# KiCad board dilemma.kicad_pcb (continued)
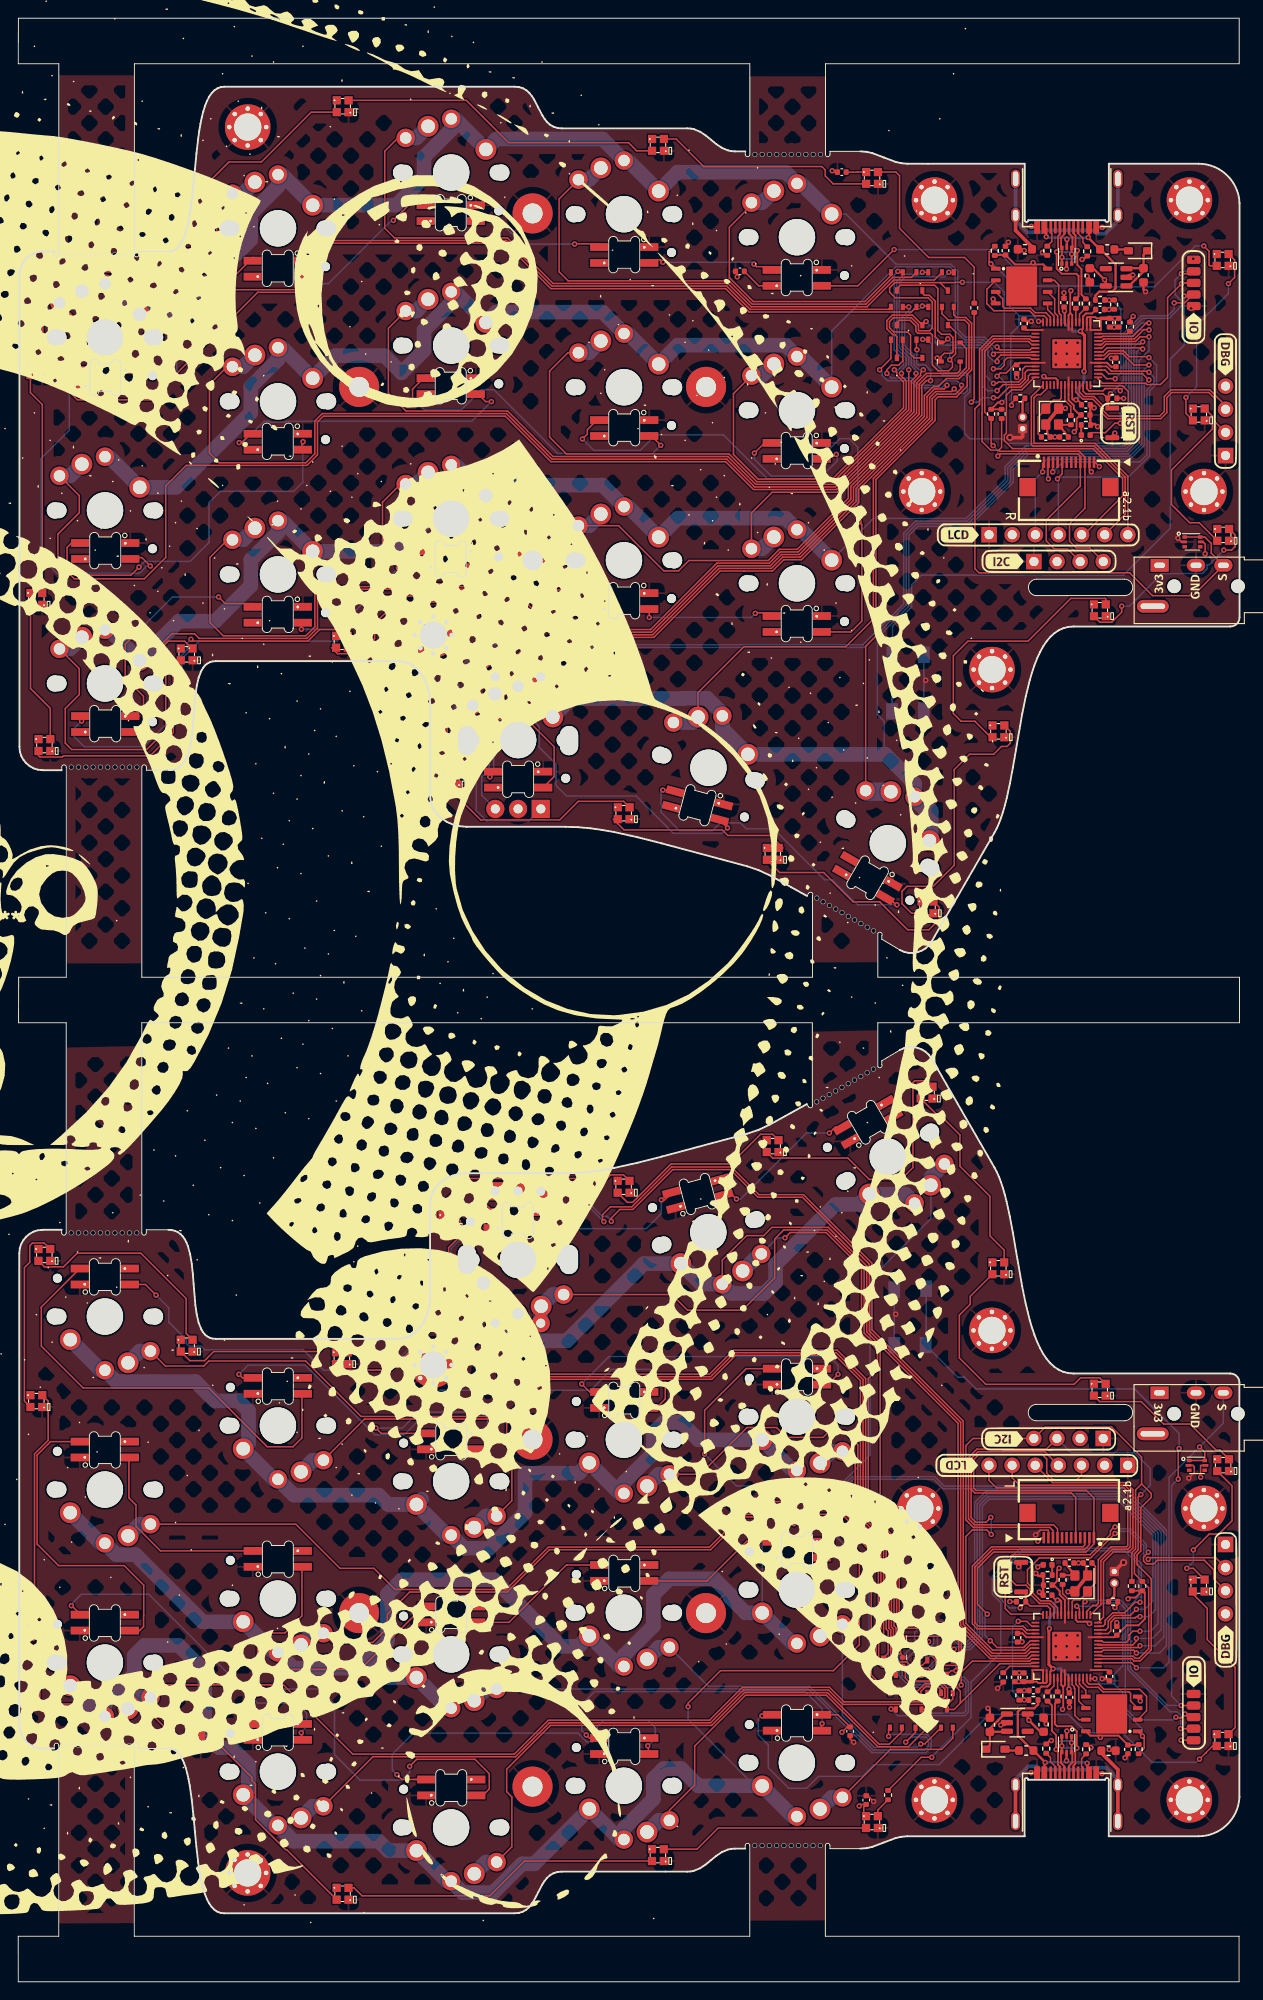
[diagram p0: board, top side]
## Footprints (pads in the part's own frame, mm; a bottom-side part is the same pattern mirrored in y, then rotated)
C_0402_1005Metric
  rrect 0.56x0.62 smd: 1(-0.48,0) 2(0.48,0)
C_0603_1608Metric
  rrect 0.9x0.95 smd: 1(-0.775,0) 2(0.775,0)
Crystal_SMD_2520-4Pin_2.5x2.0mm
  rrect 1.15x1 smd: 1(-0.875,-0.7) 2(0.875,-0.7) 3(0.875,0.7) 4(-0.875,0.7)
D_SOD-323
  rrect 1x0.8 smd: 1(-1.05,0) 2(1.05,0)
D_SOD-323#2
  rect 0.6x0.45 smd: 1(-1.05,0) 2(1.05,0)
FPC-SMD_FPC05012-09200-.5mm
  rect 0.28x1.25 smd: 1(-2.75,1.362) 2(-2.25,1.362) 3(-1.75,1.362) 4(-1.25,1.362) 5(-0.75,1.362) 6(-0.25,1.362) 7(0.25,1.362) 8(0.75,1.362) 9(1.25,1.362) 10(1.75,1.362) 11(2.25,1.362) 12(2.75,1.362)
  rect 1.8x2 smd: 13(4.55,-1.362) 14(-4.55,-1.362)
Fuse_0603_1608Metric
  rrect 0.875x0.95 smd: 1(-0.787,0) 2(0.787,0)
Jack_3.5mm_PJ320E_Horizontal
  oval 1.5x1.5 hole 1.5 unplated: (2.3,8.6) (2.3,1.6)
  oval 1.4x2 hole 0.6x1.2: R1(0,4) R2(0,7)
  oval 1.4x3.5 hole 0.6x2.7: S(4.5,-0.75)
  rect 1.4x2 hole 0.6x1.2: T(0,0)
L_0603_1608Metric
  rrect 0.875x0.95 smd: 1(-0.787,0) 2(0.787,0)
LED_0402_1005Metric
  rrect 0.59x0.64 smd: 1(-0.485,0) 2(0.485,0)
LED_SK6805-EC15_1.5x1.5mm_P0.6mm_handsolder(1)
  rect 0.9x0.9 smd: 1(-0.65,-0.65) 2(0.65,-0.65) 3(0.65,0.65) 4(-0.65,0.65)
  round 0.3 hole 0.2: 2(0.9,-0.65) 4(-0.85,0.7)
MountingHole_3mm_Pad_Via
  round 0.8 hole 0.5: 1(-2.025,0) 1(-1.432,1.432) 1(-1.432,-1.432) 1(0,2.025) 1(0,-2.025) 1(1.432,1.432) 1(1.432,-1.432) 1(2.025,0)
  round 5 hole 3: 1(0,0)
PinHeader_1x02_P1.27mm_Vertical
  rrect 1x1 hole 0.6: 1(0,0)
  round 1 hole 0.6: 2(0,-1.27)
PinHeader_1x04_P2.54mm_Vertical
  rect 1.7x1.7 hole 1: 1(0,0)
  oval 1.7x1.7 hole 1: 2(0,-2.54) 3(0,-5.08) 4(0,-7.62)
PinHeader_1x04_P2.54mm_Vertical_debug
  round 1.7 hole 1: 1(0,0)
  oval 1.7x1.7 hole 1: 2(0,-2.54) 3(0,-5.08)
  rect 1.7x1.7 hole 1: 4(0,-7.62)
PinHeader_1x05_P1.27mm_Vertical_SMD
  rrect 1.5x0.9 smd: 1(0,0) 2(0,-1.27) 3(0,-2.54) 4(0,-3.81) 5(0,-5.08)
PinHeader_1x07_P2.54mm_Vertical
  rect 1.7x1.7 hole 1: 1(0,0)
  oval 1.7x1.7 hole 1: 2(0,-2.54) 3(0,-5.08) 4(0,-7.62) 5(0,-10.16) 6(0,-12.7) 7(0,-15.24)
PushSwitch
  rect 1.8x1.3 smd: 1(-3.1,1.75) 1(3.1,1.8) 2(-3.1,-1.7) 2(3,-1.7)
QFN-56-1EP_7x7mm_P0.4mm_EP3.2x3.2mm
  rrect 1.084x1.084 smd: (-0.637,0.637) (-0.637,-0.637) (0.637,0.637) (0.637,-0.637)
  rrect 0.875x0.2 smd: 1(-3.438,2.6) 2(-3.438,2.2) 3(-3.438,1.8) 4(-3.438,1.4) 5(-3.438,1) 6(-3.438,0.6) 7(-3.438,0.2) 8(-3.438,-0.2) 9(-3.438,-0.6) 10(-3.438,-1) 11(-3.438,-1.4) 12(-3.438,-1.8) 13(-3.438,-2.2) 14(-3.438,-2.6) 29(3.438,-2.6) 30(3.438,-2.2) 31(3.438,-1.8) 32(3.438,-1.4) 33(3.438,-1) 34(3.438,-0.6) 35(3.438,-0.2) 36(3.438,0.2) 37(3.438,0.6) 38(3.438,1) 39(3.438,1.4) 40(3.438,1.8) 41(3.438,2.2) 42(3.438,2.6)
  rrect 0.2x0.875 smd: 15(-2.6,-3.438) 16(-2.2,-3.438) 17(-1.8,-3.438) 18(-1.4,-3.438) 19(-1,-3.438) 20(-0.6,-3.438) 21(-0.2,-3.438) 22(0.2,-3.438) 23(0.6,-3.438) 24(1,-3.438) 25(1.4,-3.438) 26(1.8,-3.438) 27(2.2,-3.438) 28(2.6,-3.438) 43(2.6,3.438) 44(2.2,3.438) 45(1.8,3.438) 46(1.4,3.438) 47(1,3.438) 48(0.6,3.438) 49(0.2,3.438) 50(-0.2,3.438) 51(-0.6,3.438) 52(-1,3.438) 53(-1.4,3.438) 54(-1.8,3.438) 55(-2.2,3.438) 56(-2.6,3.438)
  rrect 3.2x3.2 smd: 57(0,0)
R_0402_1005Metric
  rrect 0.54x0.64 smd: 1(-0.51,0) 2(0.51,0)
R_0402_1005Metric_nolabel
  rrect 0.54x0.64 smd: 1(-0.51,0) 2(0.51,0)
RotaryEncoder_Alps_EC11E-Switch_Vertical_H20mm_roundholes
  oval 3.2x2 hole 3.2x2 unplated: (7.5,-8.1) (7.5,3.1)
  rect 2x2 hole 1: A(0,0)
  round 2 hole 1: B(0,-5) C(0,-2.5) S1(14.5,-5) S2(14.5,0)
SK6812_mini_e_corners
  rect 2x0.85 smd: 1(2.75,-0.975) 2(-2.75,-0.975) 3(-2.75,0.775) 4(2.75,0.775)
  round 0.6 hole 0.3: 2(-2.2,-0.95) 4(2.2,0.775)
SOT-23-5
  rrect 1.325x0.6 smd: 1(-1.137,0.95) 2(-1.137,0) 3(-1.137,-0.95) 4(1.137,-0.95) 5(1.137,0.95)
SOT-323_SC-70
  rect 0.7x0.45 smd: 1(-1,0.65) 2(-1,-0.65) 3(1,0)
SOT-666
  rect 0.5x0.375 smd: 1(-0.85,0.537) 3(-0.85,-0.537) 4(0.85,-0.537) 6(0.85,0.537)
  rect 0.65x0.3 smd: 2(-0.925,0) 5(0.925,0)
SW_MX_choc
  round 1.782 hole 1.782 unplated: (-5.5,0) (5.5,0)
  round 0.991 hole 0.991 unplated: (-5.22,-4.2)
  round 1.702 hole 1.702 unplated: (-5.08,0) (5.08,0)
  round 3.988 hole 3.988 unplated: (0,0)
  round 2.286 hole 1.499: 1(-3.81,2.54) 2(2.54,5.08)
  round 2.032 hole 1.27: 1(0,5.9) 2(5,3.8)
SW_SPST_CK_KXT3
  rrect 0.55x1.5 smd: 1(-1.625,0) 2(1.625,0)
Tenting_Puck
  round 4.4 hole 2.2: 1(-19.05,0) 1(0,19.05) 1(0,-19.05) 1(19.05,0)
USB_C_Receptacle_HRO_TYPE-C-31-M-13B
  rect 0.6x1.4 smd: A1(-3.25,7.4) A4(-2.45,7.4) A9(2.45,7.4) A12(3.25,7.4) B1(3.25,7.4) B4(2.45,7.4) B9(-2.45,7.4) B12(-3.25,7.4)
  rect 0.3x1.4 smd: A5(-1.25,7.4) A6(-0.25,7.4) A7(0.25,7.4) A8(1.25,7.4) B5(1.75,7.4) B6(0.75,7.4) B7(-0.75,7.4) B8(-1.75,7.4)
  oval 1x1.6 hole 0.6x1.2: S1(-5.62,6.1) S1(5.62,6.1)
  oval 1x2 hole 0.6x1.6: S1(-5.62,2.1) S1(5.62,2.1)
W25Q128JVPIQ
  rrect 1.04x0.44 smd: 1(-2.845,1.905) 2(-2.845,0.635) 3(-2.845,-0.635) 4(-2.845,-1.905) 5(2.845,-1.905) 6(2.845,-0.635) 7(2.845,0.635) 8(2.845,1.905)
  rect 3.4x4.3 smd: 9(0,0)

## Nets
+1V1: C6.1 C7.1 C8.1 U1.23 U1.45 U1.50
+1V1_L: C5004.1 C5006.1 C5007.1 U5002.23 U5002.45 U5002.50
+3V3: C2.1 C5.1 C9.1 C10.1 C11.1 C12.1 C13.1 C14.1 C5015.1 C5017.1 D3.2 D4.2 D5.2 D7.2 D8.2 D9.2 D11.2 D12.2 D15.2 D16.2 D18.2 D19.2 D21.2 D22.2 D24.2 D25.2 D27.2 D28.2 D5031.4 D5032.4 D5033.4 D5034.4 D5035.4 D5036.4 D5037.4 D5038.4 D5039.4 D5040.4 D5041.4 D5042.4 D5043.4 D5044.4 D5045.4 D5046.4 D5047.4 D5048.4 J3.2 J4.1 J102.T J105.1 J113.12 J5010.1 O101.2 R2.2 R9.2 R101.2 R103.2 R104.1 U1.1 U1.10 U1.22 U1.33 U1.42 U1.43 U1.44 U1.48 U1.49 U2.8 U3.5 U5005.5
+3V3_L: C5002.1 C5003.1 C5009.1 C5010.1 C5011.1 C5012.1 C5013.1 C5014.1 C5016.1 C5018.1 D5013.2 D5014.2 D5015.2 D5016.2 D5017.2 D5018.2 D5019.2 D5020.2 D5021.2 D5022.2 D5023.2 D5024.2 D5025.2 D5026.2 D5027.2 D5028.2 D5029.2 D5030.2 D5049.4 D5050.4 D5051.4 D5052.4 D5053.4 D5054.4 D5055.4 D5056.4 D5057.4 D5058.4 D5059.4 D5060.4 D5061.4 D5062.4 D5063.4 D5064.4 D5065.4 D5066.4 J5003.T J5004.2 J5005.1 J5007.12 J5008.1 J5009.1 O5001.2 R5002.2 R5011.2 R5013.2 R5014.1 U5001.5 U5002.1 U5002.10 U5002.22 U5002.33 U5002.42 U5002.43 U5002.44 U5002.48 U5002.49 U5004.8 U5006.5
+5V: C1.1 D2.1 U3.1 U3.3
+5V_L: C5001.1 D5004.1 U5001.1 U5001.3
/VBUS_DET: R10.1 R11.2 U1.30
/VBUS_DET_L: R5009.1 R5010.2 U5002.30
GND: C1.2 C2.2 C3.2 C4.2 C5.2 C6.2 C7.2 C8.2 C9.2 C10.2 C11.2 C12.2 C13.2 C14.2 C5015.2 C5017.2 D3.4 D4.4 D5.4 D7.4 D8.4 D9.4 D11.4 D12.4 D15.4 D16.4 D18.4 D19.4 D21.4 D22.4 D24.4 D25.4 D27.4 D28.4 D5031.2 D5032.2 D5033.2 D5034.2 D5035.2 D5036.2 D5037.2 D5038.2 D5039.2 D5040.2 D5041.2 D5042.2 D5043.2 D5044.2 D5045.2 D5046.2 D5047.2 D5048.2 FB1.1 H101.1 H102.1 H104.1 H105.1 H106.1 H107.1 H108.1 H111.1 J1.A1 J1.A12 J1.B1 J1.B12 J3.1 J4.5 J5.1 J102.R1 J105.4 J113.11 J5010.5 O101.1 R1.1 R4.2 R5.2 R11.1 SW1.1 SW3002.C SW5022.2 U1.19 U1.57 U2.4 U3.2 U4.2 U5005.2 Y1.2 Y1.4
GND_L: C5001.2 C5002.2 C5003.2 C5004.2 C5005.2 C5006.2 C5007.2 C5008.2 C5009.2 C5010.2 C5011.2 C5012.2 C5013.2 C5014.2 C5016.2 C5018.2 D5013.4 D5014.4 D5015.4 D5016.4 D5017.4 D5018.4 D5019.4 D5020.4 D5021.4 D5022.4 D5023.4 D5024.4 D5025.4 D5026.4 D5027.4 D5028.4 D5029.4 D5030.4 D5049.2 D5050.2 D5051.2 D5052.2 D5053.2 D5054.2 D5055.2 D5056.2 D5057.2 D5058.2 D5059.2 D5060.2 D5061.2 D5062.2 D5063.2 D5064.2 D5065.2 D5066.2 FB5001.1 H5001.1 H5002.1 H5003.1 H5004.1 H5005.1 H5006.1 H5007.1 H5008.1 J5001.A1 J5001.A12 J5001.B1 J5001.B12 J5002.1 J5003.R1 J5004.1 J5005.4 J5007.11 J5008.5 J5009.5 O5001.1 R5001.1 R5004.2 R5005.2 R5010.1 R5012.2 SW5001.1 SW5020.C SW5021.2 U5001.2 U5002.19 U5002.57 U5003.2 U5004.4 U5006.2 Y5001.2 Y5001.4
VBUS: F1.1 J1.A4 J1.A9 J1.B4 J1.B9 R10.2 U4.5
VBUS_L: F5001.1 J5001.A4 J5001.A9 J5001.B4 J5001.B9 R5009.2 U5003.5
/D+: J1.A6 J1.B6 R6.1 U4.3 U4.4
/D+_L: J5001.A6 J5001.B6 R5006.1 U5003.3 U5003.4
/D-: J1.A7 J1.B7 R7.1 U4.1 U4.6
/D-_L: J5001.A7 J5001.B7 R5007.1 U5003.1 U5003.6
/LED: D1.2 U1.28
/LED_L: D5001.2 U5002.28
/MISO: J113.2 U1.31
/MISO_L: J5007.2 U5002.31
/MOSI: J3.4 J113.5 U1.35
/MOSI_L: J5004.4 J5007.5 U5002.35
/QSPI_D0: U1.53 U2.5
/QSPI_D0_L: U5002.53 U5004.5
/QSPI_D1: U1.55 U2.2
/QSPI_D1_L: U5002.55 U5004.2
/QSPI_D2: U1.54 U2.3
/QSPI_D2_L: U5002.54 U5004.3
/QSPI_D3: U1.51 U2.7
/QSPI_D3_L: U5002.51 U5004.7
/QSPI_SCLK: U1.52 U2.6
/QSPI_SCLK_L: U5002.52 U5004.6
/QSPI_~{CS}: R3.2 R9.1 U1.56 U2.1
/QSPI_~{CS}_L: R5003.2 R5011.1 U5002.56 U5004.1
/SCLK: J3.3 J113.1 U1.34
/SCLK_L: J5004.3 J5007.1 U5002.34
/SWCLK: J105.3 U1.24
/SWCLK_L: J5005.3 U5002.24
/SWD: J105.2 U1.25
/SWD_L: J5005.2 U5002.25
/~{RESET_L}: J5008.4 J5009.4 R5002.1 SW5001.2 SW5021.1 U5002.26
/~{RESET}: J4.4 J5010.4 R2.1 SW1.2 SW5022.1 U1.26
ENC_PIN1: SW3002.B U1.36
ENC_PIN1_L: SW5020.B U5002.36
ENC_PIN2: SW3002.A U1.37
ENC_PIN2_L: SW5020.A U5002.37
encoder_diode: D37.1 SW3001.2 SW3002.S1
encoder_diode_L: D5008.1 SW5013.2 SW5020.S1
HAND: R101.1 U1.41
HAND_L: R5012.1 U5002.41
IO14_L: J5008.2 J5009.2 U5002.17
IO15_L: J5008.3 J5009.3 U5002.18
IO16: J4.2 J5010.2 U1.27
IO18: J4.3 J5010.3 U1.29
M_COL1: D30.3 D35.3 U1.11
M_COL1_L: D5002.3 D5003.3 U5002.11
M_COL2: D31.3 D36.3 U1.12
M_COL2_L: D5005.3 D5006.3 U5002.12
M_COL3: D32.3 D37.3 U1.9
M_COL3_L: D5007.3 D5008.3 U5002.9
M_COL4: D33.3 D112.1 U1.8
M_COL4_L: D5009.1 D5010.3 U5002.8
M_COL5: D34.3 D115.1 U1.40
M_COL5_L: D5011.1 D5012.3 U5002.40
M_ROW1: SW118.1 SW119.1 SW3001.1 SW3002.S2 U1.38
M_ROW1_L: SW5005.1 SW5009.1 SW5013.1 SW5020.S2 U5002.38
M_ROW2: SW101.1 SW104.1 SW107.1 SW112.1 SW115.1 U1.6
M_ROW2_L: SW5002.1 SW5006.1 SW5010.1 SW5014.1 SW5017.1 U5002.6
M_ROW3: SW102.1 SW105.1 SW108.1 SW113.1 SW116.1 U1.7
M_ROW3_L: SW5003.1 SW5007.1 SW5011.1 SW5015.1 SW5018.1 U5002.7
M_ROW4: SW103.1 SW106.1 SW109.1 SW114.1 SW117.1 U1.39
M_ROW4_L: SW5004.1 SW5008.1 SW5012.1 SW5016.1 SW5019.1 U5002.39
NCS: J113.3 U1.32
NCS_L: J5007.3 U5002.32
QP_CS: J3.6 U1.15
QP_CS_L: J5004.6 U5002.15
QP_DC: J3.5 U1.14
QP_DC_L: J5004.5 U5002.14
QP_RST: J3.7 U1.16
QP_RST_L: J5004.7 U5002.16
RGB: D5.3 D5031.3
RGB_L: D5015.3 D5049.3
SCL: J113.9 O101.3 R104.2 U1.5
SCL_L: J5007.9 O5001.3 R5014.2 U5002.5
SDA: J113.10 O101.4 R103.1 U1.4
SDA_L: J5007.10 O5001.4 R5013.1 U5002.4
SERIAL: J102.R2 U1.3 U5005.1 U5005.6
SERIAL_L: J5003.R2 U5002.3 U5006.1 U5006.6
UNDER_RGB: R5016.1 U1.13
UNDER_RGB_L: R5015.1 U5002.13
Net-(C4-Pad1): C4.1 R8.1 Y1.3
Net-(C5008-Pad1): C5008.1 R5008.1 Y5001.3
Net-(D1-K): D1.1 R1.2
Net-(D2-A): D2.2 F1.2
Net-(D3-DIN): D3.1 R5016.2
Net-(D3-DOUT): D3.3 D7.1
Net-(D4-DOUT): D4.3 D8.1
Net-(D11-DIN): D7.3 D11.1
Net-(D11-DOUT): D11.3 D15.1
Net-(D12-DIN): D8.3 D12.1
Net-(D12-DOUT): D9.1 D12.3
Net-(D15-DOUT): D15.3 D18.1
Net-(D16-DIN): D9.3 D16.1
Net-(D16-DOUT): D16.3 D19.1
Net-(D18-DOUT): D18.3 D21.1
Net-(D19-DOUT): D19.3 D22.1
Net-(D21-DOUT): D21.3 D24.1
Net-(D22-DOUT): D22.3 D25.1
Net-(D24-DOUT): D24.3 D27.1
Net-(D25-DOUT): D25.3 D28.1
Net-(D27-DOUT): D4.1 D27.3
Net-(D28-DOUT): D5.1 D28.3
Net-(D30-A-Pad1): D30.1 SW102.2
Net-(D30-A-Pad2): D30.2 SW101.2
Net-(D31-A-Pad1): D31.1 SW105.2
Net-(D31-A-Pad2): D31.2 SW104.2
Net-(D32-A-Pad1): D32.1 SW108.2
Net-(D32-A-Pad2): D32.2 SW107.2
Net-(D33-A-Pad1): D33.1 SW113.2
Net-(D33-A-Pad2): D33.2 SW112.2
Net-(D34-A-Pad1): D34.1 SW116.2
Net-(D34-A-Pad2): D34.2 SW115.2
Net-(D35-A-Pad1): D35.1 SW118.2
Net-(D35-A-Pad2): D35.2 SW103.2
Net-(D36-A-Pad1): D36.1 SW119.2
Net-(D36-A-Pad2): D36.2 SW106.2
Net-(D37-A-Pad2): D37.2 SW109.2
Net-(D112-A): D112.2 SW114.2
Net-(D115-A): D115.2 SW117.2
Net-(D5001-K): D5001.1 R5001.2
Net-(D5002-A-Pad1): D5002.1 SW5003.2
Net-(D5002-A-Pad2): D5002.2 SW5002.2
Net-(D5003-A-Pad1): D5003.1 SW5005.2
Net-(D5003-A-Pad2): D5003.2 SW5004.2
Net-(D5004-A): D5004.2 F5001.2
Net-(D5005-A-Pad1): D5005.1 SW5007.2
Net-(D5005-A-Pad2): D5005.2 SW5006.2
Net-(D5006-A-Pad1): D5006.1 SW5009.2
Net-(D5006-A-Pad2): D5006.2 SW5008.2
Net-(D5007-A-Pad1): D5007.1 SW5011.2
Net-(D5007-A-Pad2): D5007.2 SW5010.2
Net-(D5008-A-Pad2): D5008.2 SW5012.2
Net-(D5009-A): D5009.2 SW5016.2
Net-(D5010-A-Pad1): D5010.1 SW5015.2
Net-(D5010-A-Pad2): D5010.2 SW5014.2
Net-(D5011-A): D5011.2 SW5019.2
Net-(D5012-A-Pad1): D5012.1 SW5018.2
Net-(D5012-A-Pad2): D5012.2 SW5017.2
Net-(D5013-DIN): D5013.1 R5015.2
Net-(D5013-DOUT): D5013.3 D5016.1
Net-(D5014-DIN): D5014.1 D5028.3
Net-(D5014-DOUT): D5014.3 D5017.1
Net-(D5015-DIN): D5015.1 D5030.3
Net-(D5016-DOUT): D5016.3 D5018.1
Net-(D5017-DOUT): D5017.3 D5019.1
Net-(D5018-DOUT): D5018.3 D5020.1
Net-(D5019-DOUT): D5019.3 D5021.1
Net-(D5020-DOUT): D5020.3 D5022.1
Net-(D5021-DOUT): D5021.3 D5023.1
Net-(D5022-DOUT): D5022.3 D5024.1
Net-(D5023-DOUT): D5023.3 D5025.1
Net-(D5024-DOUT): D5024.3 D5026.1
Net-(D5025-DOUT): D5025.3 D5027.1
Net-(D5026-DOUT): D5026.3 D5028.1
Net-(D5027-DOUT): D5027.3 D5029.1
Net-(D5029-DOUT): D5029.3 D5030.1
Net-(D5031-DOUT): D5031.1 D5034.3
Net-(D5032-DIN): D5032.3 D5046.1
Net-(D5032-DOUT): D5032.1 D5035.3
Net-(D5033-DIN): D5033.3 D5048.1
Net-(D5034-DOUT): D5034.1 D5036.3
Net-(D5035-DOUT): D5035.1 D5037.3
Net-(D5036-DOUT): D5036.1 D5038.3
Net-(D5037-DOUT): D5037.1 D5039.3
Net-(D5038-DOUT): D5038.1 D5040.3
Net-(D5039-DOUT): D5039.1 D5041.3
Net-(D5040-DOUT): D5040.1 D5042.3
Net-(D5041-DOUT): D5041.1 D5043.3
Net-(D5042-DOUT): D5042.1 D5044.3
Net-(D5043-DOUT): D5043.1 D5045.3
Net-(D5044-DOUT): D5044.1 D5046.3
Net-(D5045-DOUT): D5045.1 D5047.3
Net-(D5047-DOUT): D5047.1 D5048.3
Net-(D5049-DOUT): D5049.1 D5052.3
Net-(D5050-DIN): D5050.3 D5064.1
Net-(D5050-DOUT): D5050.1 D5053.3
Net-(D5051-DIN): D5051.3 D5066.1
Net-(D5052-DOUT): D5052.1 D5054.3
Net-(D5053-DOUT): D5053.1 D5055.3
Net-(D5054-DOUT): D5054.1 D5056.3
Net-(D5055-DOUT): D5055.1 D5057.3
Net-(D5056-DOUT): D5056.1 D5058.3
Net-(D5057-DOUT): D5057.1 D5059.3
Net-(D5058-DOUT): D5058.1 D5060.3
Net-(D5059-DOUT): D5059.1 D5061.3
Net-(D5060-DOUT): D5060.1 D5062.3
Net-(D5061-DOUT): D5061.1 D5063.3
Net-(D5062-DOUT): D5062.1 D5064.3
Net-(D5063-DOUT): D5063.1 D5065.3
Net-(D5065-DOUT): D5065.1 D5066.3
Net-(J1-CC1): J1.A5 R4.1
Net-(J1-CC2): J1.B5 R5.1
Net-(J1-SHIELD): FB1.2 J1.S1
Net-(J5-Pin_2): J5.2 R3.1
Net-(J5001-CC1): J5001.A5 R5005.1
Net-(J5001-CC2): J5001.B5 R5004.1
Net-(J5001-SHIELD): FB5001.2 J5001.S1
Net-(J5002-Pin_2): J5002.2 R5003.1
Net-(U1-USB_DM): R7.2 U1.46
Net-(U1-USB_DP): R6.2 U1.47
Net-(U1-XIN): C3.1 U1.20 Y1.1
Net-(U1-XOUT): R8.2 U1.21
Net-(U5002-USB_DM): R5007.2 U5002.46
Net-(U5002-USB_DP): R5006.2 U5002.47
Net-(U5002-XIN): C5005.1 U5002.20 Y5001.1
Net-(U5002-XOUT): R5008.2 U5002.21

Pads without a net: D5033 1; D5051 1; J1 A8 B8; J102 S; J113 4 6 7 8 13 14; J5001 A8 B8; J5003 S; J5007 4 6 7 8 13 14; U1 2 17 18; U2 9; U3 4; U5001 4; U5002 2 27 29; U5004 9; U5005 3 4; U5006 3 4

## Via types
v1: diameter 0.6, hole 0.3, Top to Bottom, 307 vias
v2: diameter 0.8, hole 0.4, Top to Bottom, 2 vias

## Routing (per net, layer and track width the routed paths; a pad name or vN(x,y) marks a point on that pad's centre or on a via; arc(x,y) is an arc through that point)
+1V1: length 19.5
  Top w0.2: C6.1 118.33,183.58 117.94,183.19 117.28,183.19 116.96,182.87 U1.45 116.96,181.52 v1(116.66,181.22) ; U1.50 114.96,183.74 114.86,183.84 ; 116.78,173.25 116.33,173.7 v1(116.18,173.7) 115.9,173.7 115.76,173.83 U1.23
  Top w0.32: v1(117.06,176.82) 117.12,176.87 117.12,180.77 v1(116.66,181.22)
  Bottom w0.3: v1(116.66,181.22) 115.8,181.22 114.91,182.12 v1(114.91,183.47)
  Bottom w0.32: v1(117.06,176.82) 117.06,175.62 116.46,175.02 116.46,173.99 v1(116.18,173.7)
+1V1_L: length 19.5
  Top w0.2: 115.46,31.76 115.36,31.86 U5002.50 ; v1(113.66,34.37) 113.36,34.07 U5002.45 113.36,32.73 113.04,32.41 112.38,32.41 111.99,32.02 C5004.1 ; 113.54,42.35 113.99,41.9 v1(114.14,41.9) 114.42,41.9 114.56,41.77 U5002.23
  Top w0.32: v1(113.66,34.37) 113.2,34.83 113.2,38.72 v1(113.26,38.78)
  Bottom w0.3: v1(115.41,32.13) 115.41,33.48 114.52,34.37 v1(113.66,34.37)
  Bottom w0.32: v1(113.26,38.78) 113.26,39.98 113.86,40.58 113.86,41.61 v1(114.14,41.9)
+3V3: length 58.5
  Top w0.16: v1(129.06,189.19) 129.11,189.14 J4.1 ; v1(107.51,176.29) 107.86,176.64 108.51,176.64 109.41,177.55 C9.1 ; C5015.1 92.17,198.7 92.18,198.71 D3.2 ; C5017.1 81.33,186.22 82.21,186.22 ; v1(118.75,166.37) 118.28,166.84 J113.12 ; R101.2 122.11,182.51 v1(122.46,182.86) ; v1(130.37,156.8) 130.37,157.86 130.13,158.1 129.89,158.1
  Top w0.2: v1(115.99,170.19) 116.24,170.45 116.24,171.63 116.76,172.14 116.49,172.14 115.94,172.69 115.94,173.09 115.36,173.67 U1.22 115.36,176.17 ; 117.75,182.78 117.45,182.78 117.36,182.7 U1.44 117.36,181.37 ; 117.75,182.78 117.76,182.77 U1.43 117.76,181.37 118.6,181.37 ; 117.75,182.78 118.3,182.78 118.43,182.65 118.91,182.65 118.91,181.37 ; 117.76,177.77 U1.33 119.6,177.77 120.03,177.34 C13.1 ; 111.65,188.57 112.59,188.57 U2.8 ; 111.65,188.57 109.47,188.57 C10.1 107.31,189.6 R9.2 ; 111.65,188.57 111.65,188.57 v1(111.46,188.77) ; 109.66,177.45 109.98,177.77 U1.10 112.76,177.77 ; v1(115.62,185.69) 115.54,185.62 115.54,183.23 115.76,183.02 U1.48 115.76,181.37 ; v1(108.03,173.41) 107.61,173.41 R104.1 R103.2 ; 110.46,181.59 110.68,181.37 112.56,181.37 ; R2.2 121.39,173.87 v1(121.41,173.85) ; 115.56,183.22 115.36,183.02 U1.49 115.36,181.37
  Top w0.25: U3.5 119.45,186.76 v1(119.32,186.89) 118.06,188.15 C2.1
  Top w0.4: 118.91,182.65 C11.1 ; C11.1 120.42,182.65 v1(120.44,182.63) ; C11.1 C5.1
  Bottom w0.16: v1(107.51,176.29) 107.72,176.29 108.51,175.5 108.51,173.89 v1(108.03,173.41)
+3V3_L: length 63.1
  Top w0.16: v1(92.37,19.3) 92.54,19.47 C5016.1 92.87,19.2 D5013.2 ; v1(90.47,27.4) 91.05,27.98 C5018.1 90.03,29.32 88.84,29.32 ; 127.81,26.53 127.81,26.52 J5008.1 ; 130.39,56.7 129.91,56.7 129.86,56.65 129.86,55.41 v1(129.87,55.4) ; v1(111.99,48.38) 112.37,48.76 J5007.12
  Top w0.2: 114.76,32.38 114.96,32.58 U5002.49 114.96,34.23 ; C5012.1 119.64,34.23 U5002.1 117.76,34.23 ; 112.56,37.83 U5002.33 110.72,37.83 110.29,38.26 C5013.1 ; R5011.2 123.01,26 C5010.1 120.85,27.03 118.67,27.03 ; 114.56,34.23 U5002.48 114.56,32.58 114.78,32.36 114.78,29.98 v1(114.7,29.91) ; 111.41,34.23 111.41,32.95 111.89,32.95 112.02,32.82 112.57,32.82 ; v1(108.91,41.75) 108.93,41.73 R5002.2 ; 118.67,27.03 118.67,27.03 v1(118.86,26.83) ; 118.67,27.03 117.73,27.03 U5004.8 ; R5014.1 122.71,42.19 122.04,42.19 v1(121.9,42.05) ; R5014.1 123.74,42.66 123.74,39.83 123.05,39.14 121.74,39.14 C5009.1 ; R5014.1 R5013.2 ; 112.57,32.82 112.87,32.82 112.96,32.9 U5002.44 112.96,34.23 ; 112.57,32.82 112.56,32.83 U5002.43 112.56,34.23 U5002.42 ; 120.66,38.15 120.34,37.83 U5002.10 117.56,37.83 ; v1(114.33,45.41) 114.08,45.15 114.08,43.97 113.56,43.46 113.83,43.46 114.38,42.91 114.38,42.51 114.96,41.93 U5002.22 114.96,39.43
  Top w0.25: C5002.1 112.26,27.45 v1(111,28.71) 110.87,28.84 U5001.5
  Top w0.4: C5011.1 109.9,32.95 v1(109.88,32.97) ; C5011.1 111.41,32.95 ; C5011.1 C5003.1
  Bottom w0.16: J5008.1 129.09,26.53 v1(127.72,26.53)
+5V: length 6.9
  Top w0.25: C1.1 123.6,189.62 D2.1 ; C1.1 121.78,188.16 U3.3 ; C1.1 123.6,187.8 122.71,186.91 122.71,186.91 122,186.2 U3.1
+5V_L: length 6.9
  Top w0.25: C5001.1 106.72,27.8 107.61,28.69 107.61,28.69 108.32,29.4 U5001.1 ; C5001.1 108.54,27.44 U5001.3 ; C5001.1 106.72,25.98 D5004.1
/VBUS_DET: length 12.8
  Top w0.16: R10.1 119.35,184.64 v1(119.83,184.64) 120.34,184.64 R11.2 ; v1(120.49,176.02) 119.55,176.02 119,176.57 U1.30
  Bottom w0.16: v1(120.49,176.02) 121.11,176.64 121.11,183.67 120.14,184.64 v1(119.83,184.64)
/VBUS_DET_L: length 12.8
  Top w0.16: R5010.2 109.98,30.96 v1(110.49,30.96) 110.97,30.96 R5009.1 ; v1(109.83,39.58) 110.77,39.58 111.32,39.03 U5002.30
  Bottom w0.16: v1(109.83,39.58) 109.21,38.96 109.21,31.93 110.18,30.96 v1(110.49,30.96)
GND: length 36.5
  Top w0.16: U5005.2 127.77,158.1 v1(127.37,158.5) ; C5015.2 89.56,198.7 v1(89.41,198.85) ; v1(119.81,183.62) 119.84,183.65 R11.1 ; R4.2 117.03,189.11 v1(116.85,189.11) ; U2.4 107.37,184.47 v1(107.08,184.76) ; R5.2 112.82,189.56 v1(112.5,189.88) ; C10.2 108.44,190.68 v1(108.76,191) ; FB1.1 110.35,190.23 v1(110.49,190.09) ; J113.11 117.66,166.01 v1(117.87,165.8) ; C5017.2 78.97,187.62 v1(78.97,187.2)
  Top w0.2: v1(112.66,176.27) 112.86,176.06 113.96,176.06 114.16,175.86 U1.19
  Top w0.25: v1(120.45,170.04) 120.16,169.76 SW1.1 ; C2.2 117.7,186.97 v1(117.4,187.27) ; C1.2 123.6,185.8 v1(123.82,185.58) ; C12.2 110.48,182.55 110.76,182.32 v1(111.26,182.32) ; C3.2 113.34,169.66 113.01,169.99 113.01,170.84 Y1.2 ; 117.74,173.25 117.74,172.16 117.72,172.14 117.74,172.12 117.74,171.07 117.77,171.04 118.27,171.04 v1(118.55,170.76) ; v1(115.14,188.07) 115.17,188.1 U4.2 ; v1(122.41,187.4) 121.97,187.4 U3.2 ; v1(119.07,192.64) 119.04,192.67 J1.A1 ; C7.2 114.86,185.45 v1(114.86,185.45) ; v1(111.28,192.74) 111.35,192.67 J1.A12 ; 120.86,181.69 120.38,181.69 v1(120.36,181.67) 120.34,181.69 119.86,181.69 ; 109.66,176.49 109.66,176.02
  Top w0.4: v1(115.01,172.77) 114.29,172.77 Y1.4 Y1.2 ; v2(108.92,169.56) 108.94,169.54 110.16,169.54 110.31,169.69 J5.1 ; 117.74,173.25 118.17,172.83 v1(118.17,172.82) ; v1(113.86,169.62) C4.2 C3.2 v1(113.86,169.62)
  Bottom w0.16: SW5022.2 99.47,143.1 v1(99.67,142.9) 99.47,142.7 SW5022.2
  vias: v1(109.66,176.17) v1(113.96,179.97) v1(113.96,178.77) v1(113.96,177.57) v1(115.16,179.97) v1(115.16,178.77) v1(115.16,177.57) v1(116.36,179.97) v1(116.36,178.77) v1(116.36,177.57) v1(120.06,178.27) v1(128.83,183.73)
GND_L: length 39.8
  Top w0.16: C5016.2 93.31,20.43 v1(93.94,19.8) ; v1(123.24,30.84) 122.95,31.13 U5004.4 ; v1(119.83,25.51) 119.97,25.37 FB5001.1 ; v1(91.77,26.3) 91.37,26.7 C5018.2 ; R5012.2 108.19,32.84 v1(107.58,32.23) ; v1(113.47,26.49) 113.29,26.49 R5005.2 ; v1(128.57,55.3) 129.17,55.9 129.17,56.56 129.03,56.7 U5006.2 ; J5007.11 113.15,49.55 113.1,49.59 112.25,49.59 111.74,49.08 v1(111.74,49.07) ; v1(117.82,25.72) 117.5,26.04 R5004.2 ; C5010.2 121.88,24.92 v1(121.56,24.6) ; R5010.1 110.48,31.95 v1(110.51,31.98)
  Top w0.2: v1(117.66,39.33) 117.46,39.53 116.36,39.53 116.16,39.74 U5002.19
  Top w0.25: C5005.2 116.98,45.94 117.31,45.61 117.31,44.76 Y5001.2 ; v1(119.06,33.28) 119.56,33.28 119.84,33.05 C5012.2 ; v1(115.46,30.15) 115.46,30.15 C5006.2 ; J5001.A12 118.97,22.93 v1(119.04,22.86) ; v1(112.92,28.33) 112.62,28.63 C5002.2 ; 112.58,42.35 112.58,43.44 112.6,43.46 112.58,43.48 112.58,44.53 112.55,44.56 112.05,44.56 v1(111.77,44.84) ; v1(115.18,27.53) 115.15,27.5 U5003.2 ; C5003.2 109.94,33.91 v1(109.96,33.93) 109.98,33.91 C5011.2 ; v1(106.5,30.02) 106.72,29.8 C5001.2 ; U5001.2 108.35,28.2 v1(107.91,28.2) ; 120.66,39.11 120.66,39.58 ; v1(109.87,45.56) 110.16,45.84 SW5001.1 ; v1(111.25,22.96) 111.28,22.93 J5001.A1
  Top w0.4: Y5001.2 Y5001.4 116.03,42.83 v1(115.31,42.83) ; v1(112.15,42.78) 112.15,42.77 112.58,42.35 ; v2(121.4,46.04) 121.38,46.04 J5002.1 ; v1(116.46,45.98) C5008.2 C5005.2 v1(116.46,45.98)
  Bottom w0.16: SW5021.2 96.22,73.15 v1(96.37,73.3) 96.22,73.45 SW5021.2
  vias: v1(110.26,37.33) v1(113.96,38.03) v1(113.96,36.83) v1(113.96,35.63) v1(115.16,38.03) v1(115.16,36.83) v1(115.16,35.63) v1(116.36,38.03) v1(116.36,36.83) v1(116.36,35.63) v1(120.66,39.43)
VBUS: length 18
  Top w0.25: v1(117.52,191.52) 117.56,191.52 ; v1(117.52,191.52) 117.52,191.51 F1.1 118.89,190.21 120.53,188.57 120.53,185.95 120.15,185.57 118.73,185.57 118.3,185.14 R10.2 ; v1(117.52,191.52) 117.61,191.62 J1.A4 ; U4.5 115.18,190.46 v1(115.18,191.32) ; J1.A9 112.91,192.47 v1(112.91,191.61)
  Bottom w0.25: v1(115.18,191.32) 115.1,191.4 115.1,191.5 ; v1(112.91,191.61) 113.02,191.5 115.1,191.5 ; 115.1,191.5 117.5,191.5 v1(117.52,191.52)
VBUS_L: length 18
  Top w0.25: v1(115.14,24.28) 115.14,25.14 U5003.5 ; v1(112.8,24.08) 112.71,23.98 J5001.A4 ; v1(112.8,24.08) 112.76,24.08 ; v1(112.8,24.08) 112.8,24.09 F5001.1 111.43,25.39 109.79,27.03 109.79,29.65 110.17,30.03 111.59,30.03 112.02,30.46 R5009.2 ; v1(117.41,23.99) 117.41,23.13 J5001.A9
  Bottom w0.25: 115.22,24.1 115.22,24.2 v1(115.14,24.28) ; 115.22,24.1 112.82,24.1 v1(112.8,24.08) ; 115.22,24.1 117.3,24.1 v1(117.41,23.99)
/D+: length 16
  Top w0.2: R6.1 116.46,185.07 116.46,187.3 116.22,187.54 114.61,187.54 114.06,188.09 v1(114.06,189.94) 114.22,190.1 114.22,191.66 114.41,191.86 J1.B6 ; U4.3 v1(115.71,189.7) U4.4 115.79,190.46 115.79,191.57 115.41,191.95 J1.A6
  Bottom w0.2: v1(115.71,189.7) 115.47,189.94 v1(114.06,189.94)
/D+_L: length 16
  Top w0.2: R5006.1 113.86,30.53 113.86,28.3 114.1,28.06 115.71,28.06 116.26,27.51 v1(116.26,25.66) 116.1,25.5 116.1,23.94 115.91,23.74 J5001.B6 ; J5001.A6 114.91,23.65 114.53,24.03 114.53,25.14 U5003.4 v1(114.61,25.9) U5003.3
  Bottom w0.2: v1(116.26,25.66) 114.85,25.66 v1(114.61,25.9)
/D-: length 15.1
  Top w0.2: R7.1 116.78,185.26 116.78,188.06 116.32,188.52 v1(116.32,190.09) 116.12,190.29 116.12,191.76 115.91,191.97 J1.B7 ; J1.A7 114.91,191.9 114.54,191.53 114.54,190.46 U4.6 v1(114.63,189.34) U4.1
  Bottom w0.2: v1(116.32,190.09) 116.32,189.57 115.92,189.17 114.8,189.17 v1(114.63,189.34)
/D-_L: length 15.1
  Top w0.2: R5007.1 113.54,30.34 113.54,27.54 114,27.08 v1(114,25.51) 114.2,25.31 114.2,23.84 114.41,23.63 J5001.B7 ; J5001.A7 115.41,23.7 115.78,24.07 115.78,25.14 U5003.6 v1(115.69,26.26) U5003.1
  Bottom w0.2: v1(115.69,26.26) 115.52,26.43 114.4,26.43 114,26.03 v1(114,25.51)
/LED: length 12.1
  Top w0.16: 117.75,169.92 117.92,170.09 119.41,170.09 120.44,171.12 v1(121.04,171.12) ; U1.28 117.86,175.23 121.31,175.23 121.92,174.62 121.92,173.12 v1(121.39,172.59)
  Bottom w0.16: v1(121.39,172.59) 121.04,172.24 v1(121.04,171.12)
/LED_L: length 13.5
  Top w0.16: v1(108.93,43.01) 108.4,42.48 108.4,40.98 109.01,40.37 112.46,40.37 U5002.28 ; v1(111.98,45.53) 112.22,45.78 D5001.2
  Bottom w0.16: v1(111.98,45.53) 111.4,46.12 109.46,46.12 108.93,45.59 v1(108.93,43.01)
/MISO: length 28.5
  Top w0.16: 118.6,176.97 119.37,176.97 119.78,176.56 123.48,176.56 124.17,175.88 ; J113.2 113.11,166.79 113.11,165.06 v1(113.15,165.02)
  Bottom w0.16: 124.17,175.88 123.69,175.4 123.69,168.72 122.13,167.16 113.41,167.16 113.02,166.78 113.02,165.15 v1(113.15,165.02)
  vias: v1(124.19,175.88)
/MISO_L: length 27.4
  Top w0.16: J5007.2 117.65,47.98 117.14,47.47 107.01,47.47 105.08,45.54 105.08,39.42 105.46,39.04 110.38,39.04 110.78,38.63 U5002.31
/MOSI: length 36.9
  Top w0.16: J113.5 114.66,165.57 114.15,165.06 ; U1.35 119.24,178.57 119.75,179.08 121.4,179.08 122.04,178.44 124.09,178.44 v1(124.19,178.34)
  Bottom w0.16: v1(124.19,178.34) 125.03,177.5 125.03,175.45 124.26,174.68 124.26,167.53 121.95,165.22 114.31,165.22 114.15,165.06 ; v1(114.15,165.02) 114.25,164.92 J3.4
/MOSI_L: length 59.7
  Top w0.16: J5004.4 112.75,58.2 105.41,58.2 104.66,57.45 104.66,54.09 ; 104.66,54.09 105.08,53.67 115.67,53.67 116.15,53.19 J5007.5 ; 104.66,54.09 104.66,50.96 105.15,50.47 106.3,50.47 v1(106.83,50.99) ; v1(106.88,49.12) 106.39,49.61 104.79,49.61 104.09,48.9 104.09,39.36 107.03,36.42 110.4,36.42 110.4,36.42 110.55,36.42 111.17,37.03 U5002.35
  Bottom w0.16: v1(106.88,49.12) 106.88,50.94 v1(106.83,50.99)
/QSPI_D0: length 2.4
  Top w0.16: U2.5 113.06,183.61 113.76,182.91 U1.53
/QSPI_D0_L: length 2.4
  Top w0.16: U5002.53 116.56,32.69 117.26,31.98 U5004.5
/QSPI_D1: length 10.7
  Top w0.16: U1.55 112.96,182.65 112.7,182.92 111.64,182.92 111.07,183.48 107.16,183.48 106.39,184.25 106.39,185.84 U2.2
/QSPI_D1_L: length 10.7
  Top w0.16: U5004.2 123.93,29.76 123.93,31.35 123.16,32.12 119.25,32.12 118.68,32.68 117.62,32.68 117.36,32.95 U5002.55
/QSPI_D2: length 8.2
  Top w0.16: U2.3 108.15,184.78 108.15,183.94 108.33,183.77 111.19,183.77 111.69,183.27 112.86,183.27 113.36,182.77 U1.54
/QSPI_D2_L: length 8.2
  Top w0.16: U5002.54 116.96,32.83 117.46,32.33 118.63,32.33 119.13,31.83 121.99,31.83 122.17,31.65 122.17,30.82 U5004.3
/QSPI_D3: length 5.7
  Top w0.16: U1.51 114.56,182.97 114.33,183.2 114.33,183.36 114.27,183.42 114.27,186.34 113.79,186.83 U2.7
/QSPI_D3_L: length 5.7
  Top w0.16: U5004.7 116.53,28.77 116.05,29.25 116.05,32.18 115.99,32.24 115.99,32.4 115.76,32.63 U5002.51
/QSPI_SCLK: length 3.8
  Top w0.16: U1.52 114.16,182.92 113.84,183.24 113.84,184.78 U2.6
/QSPI_SCLK_L: length 3.8
  Top w0.16: U5002.52 116.16,32.68 116.48,32.36 116.48,30.82 U5004.6
/QSPI_~{CS}: length 25.2
  Top w0.16: 106.65,188.89 106.65,188.82 U2.1 ; 106.65,188.89 106.65,189.96 R9.1 ; 106.65,188.89 106.84,188.7 v1(106.84,188.63) ; v1(112.06,182.32) 112.56,182.32 U1.56 ; R3.2 109.55,173.79 109.1,173.33 v1(109.1,173.09)
  Bottom w0.16: 109.91,182.32 109.91,181.82 109.01,180.92 109.01,175.87 109.1,175.78 v1(109.1,173.09) ; 109.91,182.32 109.91,182.94 108.77,184.09 108.77,186.92 107.06,188.63 v1(106.84,188.63) ; 109.91,182.32 109.91,182.82 109.99,182.89 111.5,182.89 112.06,182.33 v1(112.06,182.32)
/QSPI_~{CS}_L: length 23.8
  Top w0.16: 123.67,26.71 123.48,26.9 v1(123.48,26.97) ; 123.67,26.71 123.67,25.64 R5011.1 ; 123.67,26.71 123.67,26.78 U5004.1 ; v1(120.45,41.09) 120.77,41.41 R5003.2 ; v1(118.26,33.28) 117.76,33.28 U5002.56
  Bottom w0.16: v1(118.26,33.28) 118.26,33.26 118.82,32.7 120.33,32.7 120.41,32.78 120.41,33.28 ; 120.41,33.28 120.41,32.66 121.31,31.76 121.31,29.9 123.48,27.73 v1(123.48,26.97) ; 120.41,33.28 120.41,33.78 121.31,34.68 121.31,40.23 v1(120.45,41.09)
/SCLK: length 36.4
  Top w0.16: 124.21,177.52 122.55,177.52 121.29,178.78 119.86,178.78 119.25,178.17 U1.34 ; v1(112.51,165.78) 112.51,166.69 J113.1
  Bottom w0.16: J3.3 111.71,164.98 v1(112.51,165.78) 112.51,166.67 113.31,167.48 122.04,167.48 123.4,168.84 123.4,176.73 124.19,177.52
  vias: v1(124.19,177.52)
/SCLK_L: length 65.5
  Top w0.16: v1(106.43,40.37) 105.37,41.43 105.37,45.42 107.13,47.19 117.26,47.19 118.15,48.07 J5007.1 118.15,53.12 117.31,53.95 105.2,53.95 104.95,54.2 104.95,57.33 105.53,57.92 112.45,57.92 112.97,57.4 112.97,55.85 113.72,55.1 116.25,55.1 116.78,55.64 J5004.3 ; v1(106.77,37.45) 107.51,36.71 110.44,36.71 111.16,37.43 U5002.34
  Bottom w0.16: v1(106.77,37.45) 106.18,38.03 106.18,40.12 v1(106.43,40.37)
/SWCLK: length 24.2
  Top w0.16: U1.24 116.16,174.54 116.93,173.77 118.03,173.77 118.88,172.92 118.88,172.4 119.65,171.63 125.5,171.63 126.16,172.29 126.16,173.95 126.71,174.5 130.77,174.5 131.45,173.82 131.45,171.28 J105.3
/SWCLK_L: length 32.9
  Top w0.16: J5005.3 131.51,46.57 124.3,46.57 v1(124.12,46.39) ; U5002.24 114.16,41.06 113.39,41.83 112.29,41.83 111.44,42.68 111.44,43.2 110.85,43.79 110.85,45.24 112.15,46.54 117.79,46.54 v1(120.47,49.22)
  Bottom w0.16: v1(120.47,49.22) 120.53,49.28 120.84,49.28 121.02,49.46 122.05,49.46 123.61,47.9 123.61,46.9 v1(124.12,46.39)
/SWD: length 21.5
  Top w0.16: J105.2 132.61,173.07 130.87,174.8 126.61,174.8 125.87,174.06 125.87,172.41 125.38,171.92 119.77,171.92 119.17,172.52 119.17,173.04 118.15,174.06 117.05,174.06 116.56,174.54 U1.25
/SWD_L: length 40.4
  Top w0.16: v1(120.47,49.95) 120.37,49.95 119.96,49.53 119.96,49.12 117.74,46.9 109.2,46.9 109.01,46.71 109.01,44.15 109.62,43.54 110.7,43.54 111.15,43.08 111.15,42.56 112.17,41.54 113.27,41.54 113.76,41.06 U5002.25 ; J5005.2 131.31,44.23 131.31,45.24 130.27,46.28 125.11,46.28 124.71,45.88 123.91,45.88 123.6,46.2 123.6,46.65 v1(124.12,47.17)
  Bottom w0.16: v1(120.47,49.95) 120.83,49.95 121.03,49.75 122.17,49.75 123.9,48.02 123.9,47.39 v1(124.12,47.17)
